# Altium PCB 全兼容主控.PCBDOC (part 7 of 9) (continued)
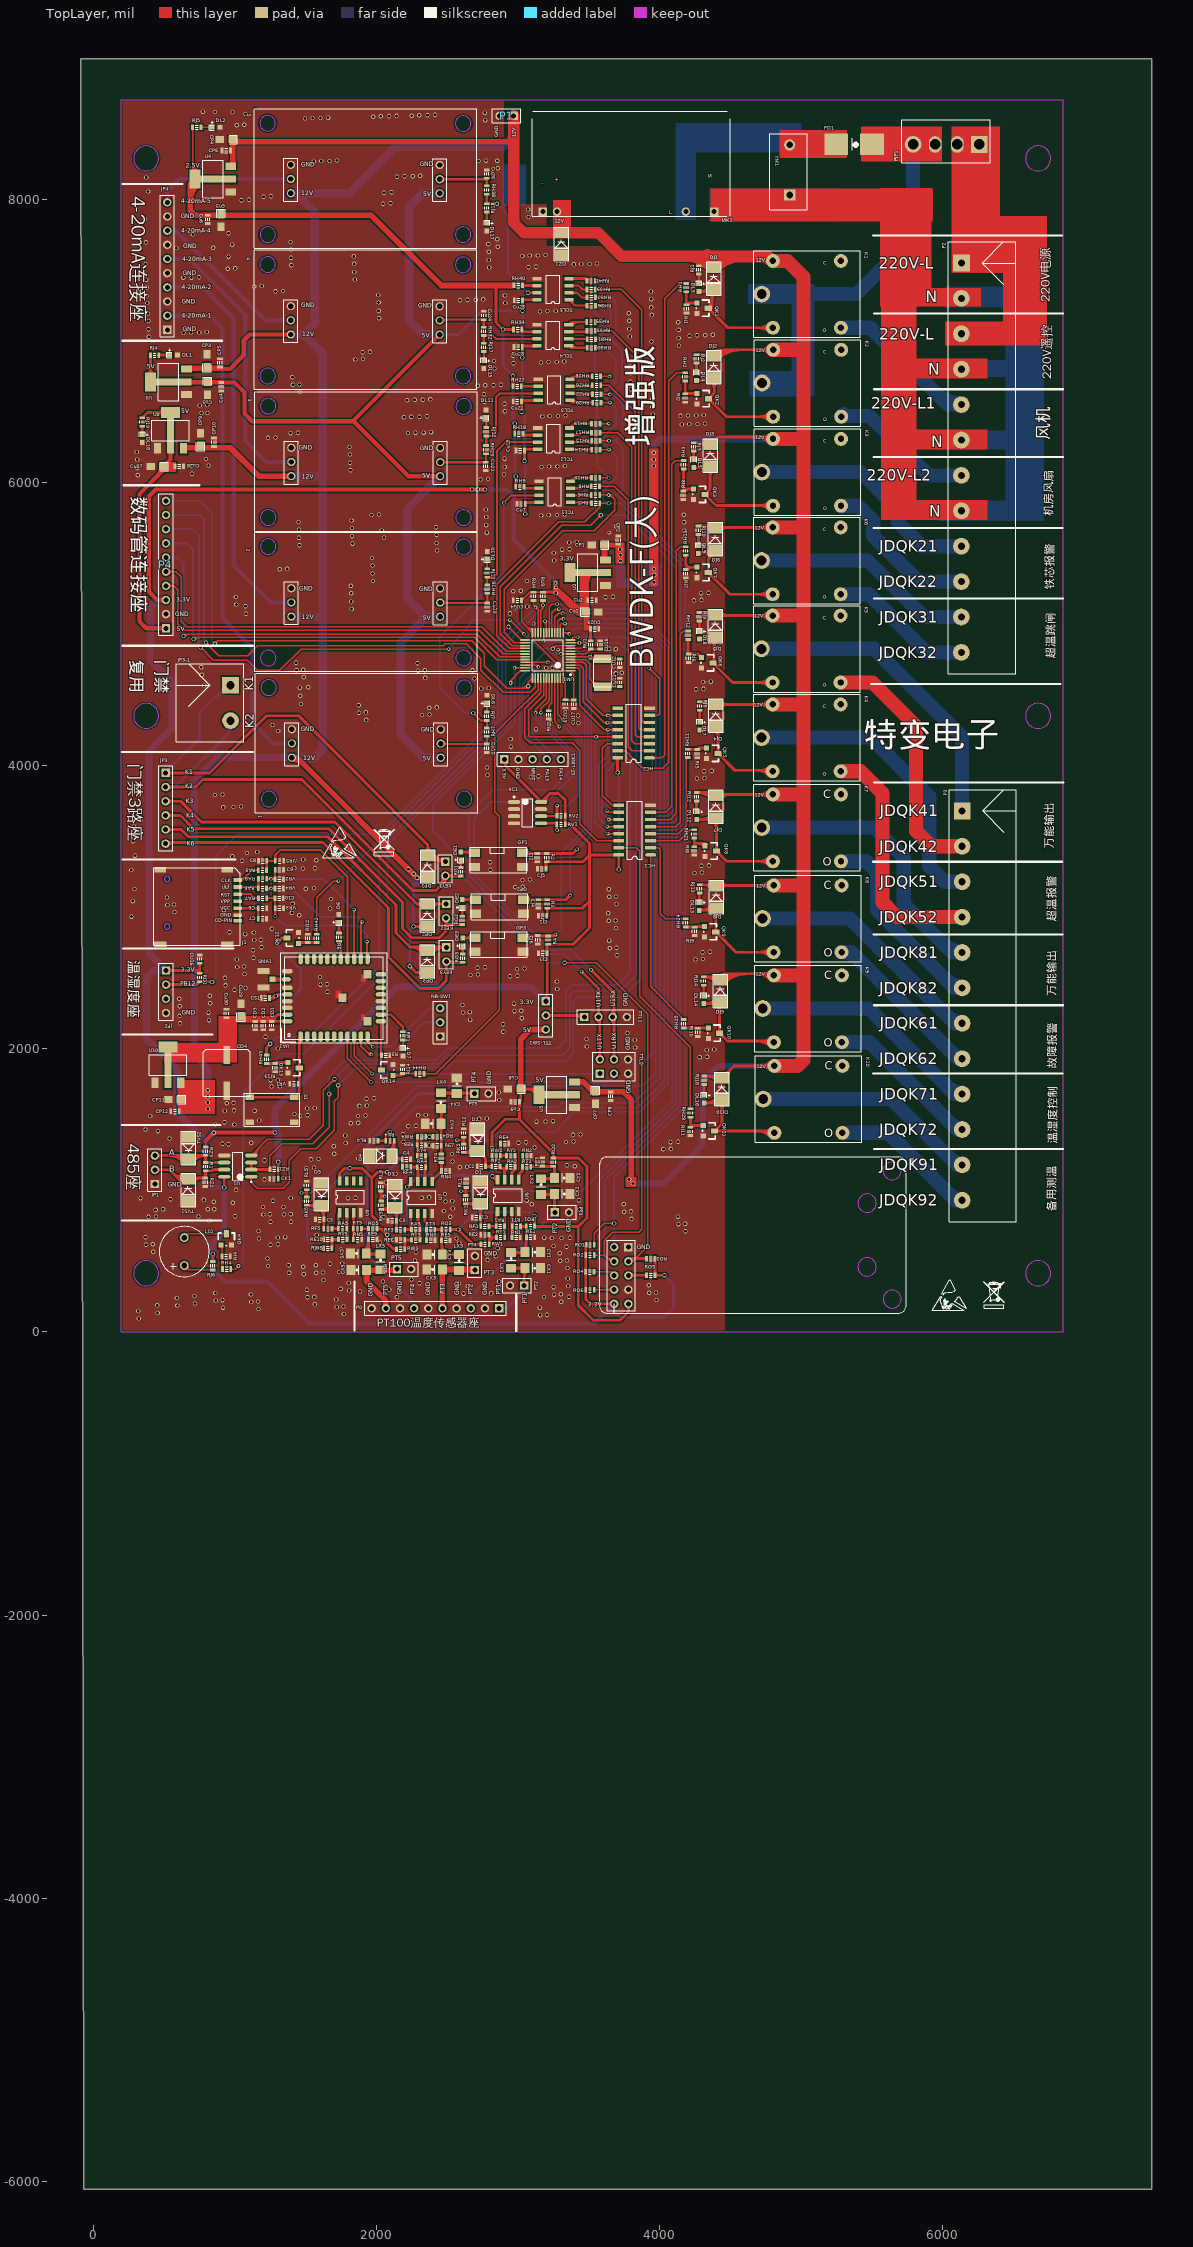
[diagram p0: TopLayer view]
## Nets (pads, with @x,y where several pads share a name; then routed paths per layer and width w, separated by ;. In a path a pad name is that pad's centre, name@x,y a point inside that pad or via, vN(x,y) a via of type N, cw(c..) or ccw(c..) an arc to the next point about the centre after c; other vN are vias at no path point) (continued)
  TopLayer w20: LX2.2@3161.84,971.06 3239.69,971.06 3243.62,974.98 CX2.2@3258.27,974.98 3258.27,845.97 PT3.1@3260.21,844.03 ; LX2.2@3180.98,955.86 cw(c3217.67,919.16) 3217.67,971.06 ; LX2.2@3180.98,955.86 cw(c3217.67,919.16) 3217.67,971.06 ; LX2.2@3180.98,955.86 cw(c3217.67,919.16) 3217.67,971.06 ; LX2.2@3180.98,986.26 ccw(c3217.67,1022.95) 3217.67,971.06 ; LX2.2@3180.98,986.26 ccw(c3217.67,1022.95) 3217.67,971.06 ; LX2.2@3180.98,986.26 ccw(c3217.67,1022.95) 3217.67,971.06 ; 3206.35,971.06 cw(c3206.35,919.12) CX2.2@3243.07,955.84 ; 3206.35,971.06 cw(c3206.35,919.12) CX2.2@3243.07,955.84 ; 3206.35,971.06 cw(c3206.35,919.12) CX2.2@3243.07,955.84 ; 3206.41,971.06 ccw(c3206.41,1022.91) CX2.2@3243.07,986.24 ; 3206.41,971.06 ccw(c3206.41,1022.91) CX2.2@3243.07,986.24 ; 3206.41,971.06 ccw(c3206.41,1022.91) CX2.2@3243.07,986.24 ; CX2.2@3243.07,955.84 cw(c3206.38,919.15) 3258.27,919.15 ; CX2.2@3243.07,955.84 cw(c3206.38,919.15) 3258.27,919.15 ; CX2.2@3243.07,955.84 cw(c3206.38,919.15) 3258.27,919.15 ; PT3.1@3246.4,857.84 ccw(c3217.75,886.49) 3258.27,886.49 ; PT3.1@3246.4,857.84 ccw(c3217.75,886.49) 3258.27,886.49 ; PT3.1@3246.4,857.84 ccw(c3217.75,886.49) 3258.27,886.49 ; 3258.27,895.85 ccw(c3312.04,895.85) PT3.1@3274.02,857.84 ; 3258.27,895.85 ccw(c3312.04,895.85) PT3.1@3274.02,857.84 ; 3258.27,895.85 ccw(c3312.04,895.85) PT3.1@3274.02,857.84 ; 3258.27,919.15 cw(c3310.17,919.15) CX2.2@3273.47,955.84 ; 3258.27,919.15 cw(c3310.17,919.15) CX2.2@3273.47,955.84 ; 3258.27,919.15 cw(c3310.17,919.15) CX2.2@3273.47,955.84
  BottomLayer w20: P0.3@2666.5,166.22 2666.5,252.8 3257.73,844.03 PT3.1@3260.21,844.03 ; P0.3@2652.69,180.03 ccw(c2619.36,213.37) 2666.5,213.37 ; P0.3@2652.69,180.03 ccw(c2619.36,213.37) 2666.5,213.37 ; P0.3@2652.69,180.03 ccw(c2619.36,213.37) 2666.5,213.37 ; 2666.5,213.37 ccw(c2713.65,213.37) P0.3@2680.31,180.03 ; 2666.5,213.37 ccw(c2713.65,213.37) P0.3@2680.31,180.03 ; 2666.5,213.37 ccw(c2713.65,213.37) P0.3@2680.31,180.03 ; 3222.65,808.94 cw(c3260.21,771.38) PT3.1@3260.21,824.5 ; 3222.65,808.94 cw(c3260.21,771.38) PT3.1@3260.21,824.5 ; 3222.65,808.94 cw(c3260.21,771.38) PT3.1@3260.21,824.5 ; 3228.63,814.92 ccw(c3199.52,844.03) PT3.1@3240.68,844.03 ; 3228.63,814.92 ccw(c3199.52,844.03) PT3.1@3240.68,844.03 ; 3228.63,814.92 ccw(c3199.52,844.03) PT3.1@3240.68,844.03
PT100-3: CX3.2 LX3.2 P0.5 PT4.1 | length 1162.9
  TopLayer w20: 2461.91,324.12 2461.91,435.85 CX3.2@2465.85,439.79 ; LX3.2@2577.85,439.79 LX3.2@2582.9,434.73 ; CX3.2@2450.65,420.65 cw(c2423.45,393.45) 2461.91,393.45 ; CX3.2@2450.65,420.65 cw(c2423.45,393.45) 2461.91,393.45 ; CX3.2@2450.65,420.65 cw(c2423.45,393.45) 2461.91,393.45 ; 2461.91,374.46 cw(c2527.24,374.46) CX3.2@2481.05,420.65 ; 2461.91,374.46 cw(c2527.24,374.46) CX3.2@2481.05,420.65 ; 2461.91,374.46 cw(c2527.24,374.46) CX3.2@2481.05,420.65
  TopLayer w40: P0.5@2466.5,166.22 2465.85,166.88 CX3.2@2465.85,439.79 2692.66,439.79 PT4.1@2695.52,436.93 ; 2539.01,439.79 cw(c2539.01,394.78) LX3.2@2570.84,426.61 ; 2539.01,439.79 cw(c2539.01,394.78) LX3.2@2570.84,426.61 ; 2539.01,439.79 cw(c2539.01,394.78) LX3.2@2570.84,426.61 ; LX3.2@2594.97,426.61 cw(c2626.79,394.78) 2626.79,439.79 ; LX3.2@2594.97,426.61 cw(c2626.79,394.78) 2626.79,439.79 ; LX3.2@2594.97,426.61 cw(c2626.79,394.78) 2626.79,439.79 ; 2665.62,439.79 cw(c2665.62,407.04) PT4.1@2688.78,430.2 ; 2665.62,439.79 cw(c2665.62,407.04) PT4.1@2688.78,430.2 ; 2665.62,439.79 cw(c2665.62,407.04) PT4.1@2688.78,430.2
PT100-4: CX4.2 LX4.2 P0.7 PT5.1 | length 3800.1
  TopLayer w20: LX4.2@2456.26,1688.46 2685.51,1688.46 PT5.1@2691.28,1682.68 ; LX4.2@2475.4,1673.26 cw(c2512.09,1636.57) 2512.09,1688.46 ; LX4.2@2475.4,1673.26 cw(c2512.09,1636.57) 2512.09,1688.46 ; LX4.2@2475.4,1673.26 cw(c2512.09,1636.57) 2512.09,1688.46 ; LX4.2@2475.4,1703.66 ccw(c2512.09,1740.36) 2512.09,1688.46 ; LX4.2@2475.4,1703.66 ccw(c2512.09,1740.36) 2512.09,1688.46 ; LX4.2@2475.4,1703.66 ccw(c2512.09,1740.36) 2512.09,1688.46 ; 2498.43,1688.46 cw(c2498.43,1617.84) CX4.2@2548.37,1667.78 ; 2498.43,1688.46 cw(c2498.43,1617.84) CX4.2@2548.37,1667.78 ; 2498.43,1688.46 cw(c2498.43,1617.84) CX4.2@2548.37,1667.78 ; 2524.91,1688.46 ccw(c2524.91,1721.64) CX4.2@2548.37,1698.18 ; 2524.91,1688.46 ccw(c2524.91,1721.64) CX4.2@2548.37,1698.18 ; 2524.91,1688.46 ccw(c2524.91,1721.64) CX4.2@2548.37,1698.18 ; CX4.2@2586.64,1667.78 cw(c2636.57,1617.84) 2636.57,1688.46 ; CX4.2@2586.64,1667.78 cw(c2636.57,1617.84) 2636.57,1688.46 ; CX4.2@2586.64,1667.78 cw(c2636.57,1617.84) 2636.57,1688.46 ; CX4.2@2586.64,1698.18 ccw(c2610.1,1721.64) 2610.1,1688.46 ; CX4.2@2586.64,1698.18 ccw(c2610.1,1721.64) 2610.1,1688.46 ; CX4.2@2586.64,1698.18 ccw(c2610.1,1721.64) 2610.1,1688.46 ; 2630.19,1688.46 cw(c2630.19,1621.6) PT5.1@2677.47,1668.88 ; 2630.19,1688.46 cw(c2630.19,1621.6) PT5.1@2677.47,1668.88 ; 2630.19,1688.46 cw(c2630.19,1621.6) PT5.1@2677.47,1668.88 ; 2658.08,1688.46 ccw(c2658.08,1715.88) PT5.1@2677.47,1696.49 ; 2658.08,1688.46 ccw(c2658.08,1715.88) PT5.1@2677.47,1696.49 ; 2658.08,1688.46 ccw(c2658.08,1715.88) PT5.1@2677.47,1696.49
  BottomLayer w20: P0.7@2266.5,166.22 2266.5,208.62 ; PT5.1@2691.28,1682.68 2296.38,1682.68 2020.35,1406.66 1936.77,1323.08 1936.77,538.35 2040.85,434.27 2266.5,208.62 ; P0.7@2253.81,181.06 ccw(c2230.25,208.62) 2266.5,208.62 ; P0.7@2253.81,181.06 ccw(c2230.25,208.62) 2266.5,208.62 ; P0.7@2253.81,181.06 ccw(c2230.25,208.62) 2266.5,208.62 ; 2266.5,208.62 ccw(c2302.76,208.62) P0.7@2279.19,181.06 ; 2266.5,208.62 ccw(c2302.76,208.62) P0.7@2279.19,181.06 ; 2266.5,208.62 ccw(c2302.76,208.62) P0.7@2279.19,181.06 ; 2644.14,1682.68 cw(c2644.14,1635.54) PT5.1@2677.47,1668.88 ; 2644.14,1682.68 ccw(c2644.14,1729.83) PT5.1@2677.47,1696.49 ; 2644.14,1682.68 cw(c2644.14,1635.54) PT5.1@2677.47,1668.88 ; 2644.14,1682.68 ccw(c2644.14,1729.83) PT5.1@2677.47,1696.49 ; 2644.14,1682.68 cw(c2644.14,1635.54) PT5.1@2677.47,1668.88 ; 2644.14,1682.68 ccw(c2644.14,1729.83) PT5.1@2677.47,1696.49
PT100-5: CX5.2 LX5.2 P0.9 PT6.1 | length 842.5
  TopLayer w20: LX5.2@2025.53,435.92 LX5.2@2028.24,438.62
  TopLayer w40: P0.9@2066.5,166.22 2066.5,221.43 1930.25,357.68 CX5.2@1930.25,435.92 2138.49,435.92 PT6.1@2145.81,443.24 ; 1990.02,435.92 ccw(c1990.02,472.9) LX5.2@2016.17,446.75 ; 1990.02,435.92 ccw(c1990.02,472.9) LX5.2@2016.17,446.75 ; 1990.02,435.92 ccw(c1990.02,472.9) LX5.2@2016.17,446.75 ; LX5.2@2040.3,446.75 ccw(c2066.45,472.9) 2066.45,435.92 ; LX5.2@2040.3,446.75 ccw(c2066.45,472.9) 2066.45,435.92 ; LX5.2@2040.3,446.75 ccw(c2066.45,472.9) 2066.45,435.92 ; 2105.13,435.92 ccw(c2105.13,483.92) PT6.1@2139.07,449.98 ; 2105.13,435.92 ccw(c2105.13,483.92) PT6.1@2139.07,449.98 ; 2105.13,435.92 ccw(c2105.13,483.92) PT6.1@2139.07,449.98
  BottomLayer w20: P0.9@2066.5,166.22 P0.9@2066.5,172.82
PWRKEY: QK14.1 R5.2 UA1.12 | length 640.5
  TopLayer w15: UA1.12@2032,2193.89 2032,1854.48 QK14.1@2036.67,1849.81 ; QK14.1@2022.24,1857.24 ccw(c1998.69,1880.79) 2032,1880.79 ; QK14.1@2022.24,1857.24 ccw(c1998.69,1880.79) 2032,1880.79 ; QK14.1@2022.24,1857.24 ccw(c1998.69,1880.79) 2032,1880.79 ; UA1.12@2026.17,2188.06 cw(c2012.09,2173.98) 2032,2173.98 ; UA1.12@2026.17,2188.06 cw(c2012.09,2173.98) 2032,2173.98 ; UA1.12@2026.17,2188.06 cw(c2012.09,2173.98) 2032,2173.98 ; 2032,1869.53 ccw(c2049.39,1869.53) QK14.1@2037.09,1857.24 ; 2032,1869.53 ccw(c2049.39,1869.53) QK14.1@2037.09,1857.24 ; 2032,1869.53 ccw(c2049.39,1869.53) QK14.1@2037.09,1857.24 ; 2032,1929.72 cw(c2049.22,1929.72) R5.2@2037.04,1941.9 ; 2032,1929.72 cw(c2049.22,1929.72) R5.2@2037.04,1941.9 ; 2032,1929.72 cw(c2049.22,1929.72) R5.2@2037.04,1941.9 ; 2032,1977.08 ccw(c2049.22,1977.08) R5.2@2037.04,1964.9 ; 2032,1977.08 ccw(c2049.22,1977.08) R5.2@2037.04,1964.9 ; 2032,1977.08 ccw(c2049.22,1977.08) R5.2@2037.04,1964.9 ; 2032,2173.98 cw(c2051.91,2173.98) UA1.12@2037.83,2188.06 ; 2032,2173.98 cw(c2051.91,2173.98) UA1.12@2037.83,2188.06 ; 2032,2173.98 cw(c2051.91,2173.98) UA1.12@2037.83,2188.06
SCK: UA1.3
SD-INT2: UA1.27
SIM_CLK: C8.1 RA9.2 UA1.23 VR5.1 | length 1443.5
  TopLayer w15: RA9.2@1224.82,3261.28 1225.87,3262.33 C8.1@1225.87,3326.16 VR5.1@1285.95,3326.16 1285.95,3367.61 1320.45,3402.11 1607.08,3402.11 1795.78,3213.41 UA1.23@1795.78,2632.87 ; UA1.23@1789.95,2660.35 ccw(c1775.87,2674.43) 1795.78,2674.43 ; UA1.23@1789.95,2660.35 ccw(c1775.87,2674.43) 1795.78,2674.43 ; UA1.23@1789.95,2660.35 ccw(c1775.87,2674.43) 1795.78,2674.43 ; 1795.78,2674.43 ccw(c1815.69,2674.43) UA1.23@1801.61,2660.35 ; 1795.78,2674.43 ccw(c1815.69,2674.43) UA1.23@1801.61,2660.35 ; 1795.78,2674.43 ccw(c1815.69,2674.43) UA1.23@1801.61,2660.35
SIM_DAT: C9.1 RA8.1 UA1.22 VR2.1 | length 1320.3
  TopLayer w15: RA8.1@1225.5,3198.89 1226.43,3197.96 VR2.1@1284.85,3197.96 1285.06,3198.17 C9.1@1285.06,3263.04 ; v2(1842.14,2982.36) 1842.14,2633.75 UA1.22@1843.02,2632.87 ; 1239.96,3197.96 ccw(c1239.96,3213.77) v2@1251.14,3202.59 ; 1239.96,3197.96 ccw(c1239.96,3213.77) v2@1251.14,3202.59 ; 1239.96,3197.96 ccw(c1239.96,3213.77) v2@1251.14,3202.59 ; v2@1258.21,3202.59 ccw(c1269.39,3213.77) 1269.39,3197.96 ; v2@1258.21,3202.59 ccw(c1269.39,3213.77) 1269.39,3197.96 ; v2@1258.21,3202.59 ccw(c1269.39,3213.77) 1269.39,3197.96 ; UA1.22@1837.19,2660.35 ccw(c1825.24,2672.3) 1842.14,2672.3 ; UA1.22@1837.19,2660.35 ccw(c1825.24,2672.3) 1842.14,2672.3 ; UA1.22@1837.19,2660.35 ccw(c1825.24,2672.3) 1842.14,2672.3 ; 1842.14,2676.57 ccw(c1865.07,2676.57) UA1.22@1848.86,2660.35 ; 1842.14,2676.57 ccw(c1865.07,2676.57) UA1.22@1848.86,2660.35 ; 1842.14,2676.57 ccw(c1865.07,2676.57) UA1.22@1848.86,2660.35
  BottomLayer w15: v2(1254.68,3199.06) 1625.44,3199.06 v2(1842.14,2982.36)
SIM_RST: C10.1 RA7.1 UA1.20 VR3.1 | length 1131.4
  TopLayer w15: RA7.1@1225.51,3062.88 C10.1@1283.84,3062.88 ; C10.1@1283.93,3062.98 C10.1@1283.84,3062.88 ; v2(1285.44,2935.46) VR3.1@1285.44,2993.21 1283.84,2994.81 C10.1@1283.84,3062.88 ; v2(1934.48,2755.69) 1934.48,2635.9 UA1.20@1937.51,2632.87 ; 1934.48,2681.74 ccw(c1964.73,2681.74) UA1.20@1943.34,2660.35 ; 1934.48,2681.74 ccw(c1964.73,2681.74) UA1.20@1943.34,2660.35 ; 1934.48,2681.74 ccw(c1964.73,2681.74) UA1.20@1943.34,2660.35
  BottomLayer w15: v2(1285.44,2935.46) 1351,2869.9 1864.65,2869.9 1934.48,2800.07 v2(1934.48,2755.69)
SIM_VDD: C6.1 C7.2 J1.3 RA6.2 UA1.21 VR4.1 | length 1792.3
  TopLayer w15: J1.3@1021.23,2991.59 1164.92,2991.59 C6.1@1165.83,2992.5 1165.83,2918.98 C7.2@1165.55,2918.7 ; RA6.2@1224.77,3132.09 1283.32,3132.09 VR4.1@1283.99,3131.43 ; UA1.21@1890.27,2632.87 1890.27,2886.57 v2(1900.91,2897.21) ; UA1.21@1884.43,2660.35 ccw(c1870.35,2674.43) 1890.27,2674.43 ; UA1.21@1884.43,2660.35 ccw(c1870.35,2674.43) 1890.27,2674.43 ; UA1.21@1884.43,2660.35 ccw(c1870.35,2674.43) 1890.27,2674.43 ; 1890.27,2674.43 ccw(c1910.18,2674.43) UA1.21@1896.1,2660.35 ; 1890.27,2674.43 ccw(c1910.18,2674.43) UA1.21@1896.1,2660.35 ; 1890.27,2674.43 ccw(c1910.18,2674.43) UA1.21@1896.1,2660.35 ; 1890.27,2859.46 cw(c1938.66,2859.46) v2@1904.44,2893.67 ; 1890.27,2859.46 cw(c1938.66,2859.46) v2@1904.44,2893.67 ; 1890.27,2859.46 cw(c1938.66,2859.46) v2@1904.44,2893.67
  BottomLayer w15: v2(1126.94,2991.59) 1126.94,3004.25 v2(1254.78,3132.09) 1403.38,3132.09 1605.88,2929.59 1868.52,2929.59 v2(1900.91,2897.21) ; v2@1131.94,2991.59 cw(c1174.58,2991.59) 1144.43,3021.74 ; v2@1131.94,2991.59 cw(c1174.58,2991.59) 1144.43,3021.74 ; v2@1131.94,2991.59 cw(c1174.58,2991.59) 1144.43,3021.74
TCLCS1: HC2.2 RH8.1 | length 2281.2
  TopLayer w10: RH8.1@3576.35,5971.55 3681.33,5971.55 3779.31,5873.57 3779.31,4132.12 3807.95,4103.48 HC2.2@3928.94,4103.48 ; RH8.1@3579.77,5968.13 cw(c3588.04,5959.86) 3588.04,5971.55 ; RH8.1@3579.77,5968.13 cw(c3588.04,5959.86) 3588.04,5971.55 ; RH8.1@3579.77,5968.13 cw(c3588.04,5959.86) 3588.04,5971.55 ; RH8.1@3579.77,5974.98 ccw(c3588.04,5983.24) 3588.04,5971.55 ; RH8.1@3579.77,5974.98 ccw(c3588.04,5983.24) 3588.04,5971.55 ; RH8.1@3579.77,5974.98 ccw(c3588.04,5983.24) 3588.04,5971.55 ; 3886.04,4103.48 cw(c3886.04,4086.58) HC2.2@3897.99,4098.53 ; 3886.04,4103.48 ccw(c3886.04,4120.38) HC2.2@3897.99,4108.43 ; 3886.04,4103.48 cw(c3886.04,4086.58) HC2.2@3897.99,4098.53 ; 3886.04,4103.48 ccw(c3886.04,4120.38) HC2.2@3897.99,4108.43 ; 3886.04,4103.48 cw(c3886.04,4086.58) HC2.2@3897.99,4098.53 ; 3886.04,4103.48 ccw(c3886.04,4120.38) HC2.2@3897.99,4108.43
TCLCS2: HC2.3 RH17.1 | length 2610.1
  TopLayer w10: RH17.1@3578.93,6350.92 3703.37,6350.92 3804.09,6250.2 3804.09,4175.74 3826.34,4153.48 HC2.3@3928.94,4153.48 ; RH17.1@3582.35,6347.49 cw(c3590.62,6339.23) 3590.62,6350.92 ; RH17.1@3582.35,6347.49 cw(c3590.62,6339.23) 3590.62,6350.92 ; RH17.1@3582.35,6347.49 cw(c3590.62,6339.23) 3590.62,6350.92 ; RH17.1@3582.35,6354.34 ccw(c3590.62,6362.61) 3590.62,6350.92 ; RH17.1@3582.35,6354.34 ccw(c3590.62,6362.61) 3590.62,6350.92 ; RH17.1@3582.35,6354.34 ccw(c3590.62,6362.61) 3590.62,6350.92 ; 3886.04,4153.48 cw(c3886.04,4136.58) HC2.3@3897.99,4148.53 ; 3886.04,4153.48 ccw(c3886.04,4170.38) HC2.3@3897.99,4158.43 ; 3886.04,4153.48 cw(c3886.04,4136.58) HC2.3@3897.99,4148.53 ; 3886.04,4153.48 ccw(c3886.04,4170.38) HC2.3@3897.99,4158.43 ; 3886.04,4153.48 cw(c3886.04,4136.58) HC2.3@3897.99,4148.53 ; 3886.04,4153.48 ccw(c3886.04,4170.38) HC2.3@3897.99,4158.43
TCLCS3: HC2.4 RH26.1 | length 2844.5
  TopLayer w10: RH26.1@3583.98,6685.85 3641.01,6685.85 3827.88,6498.98 3827.88,4217.36 3841.76,4203.48 HC2.4@3928.94,4203.48 ; RH26.1@3587.4,6682.43 cw(c3595.67,6674.16) 3595.67,6685.85 ; RH26.1@3587.4,6682.43 cw(c3595.67,6674.16) 3595.67,6685.85 ; RH26.1@3587.4,6682.43 cw(c3595.67,6674.16) 3595.67,6685.85 ; RH26.1@3587.4,6689.27 ccw(c3595.67,6697.54) 3595.67,6685.85 ; RH26.1@3587.4,6689.27 ccw(c3595.67,6697.54) 3595.67,6685.85 ; RH26.1@3587.4,6689.27 ccw(c3595.67,6697.54) 3595.67,6685.85 ; 3886.04,4203.48 cw(c3886.04,4186.58) HC2.4@3897.99,4198.53 ; 3886.04,4203.48 ccw(c3886.04,4220.38) HC2.4@3897.99,4208.43 ; 3886.04,4203.48 cw(c3886.04,4186.58) HC2.4@3897.99,4198.53 ; 3886.04,4203.48 ccw(c3886.04,4220.38) HC2.4@3897.99,4208.43 ; 3886.04,4203.48 cw(c3886.04,4186.58) HC2.4@3897.99,4198.53 ; 3886.04,4203.48 ccw(c3886.04,4220.38) HC2.4@3897.99,4208.43
TCLCS4: HC2.5 RH33.1 | length 3216.6
  TopLayer w10: RH33.1@3546.41,7071.22 3661.01,7071.22 3851.67,6880.57 3851.67,4264.94 3863.12,4253.48 HC2.5@3928.94,4253.48 ; RH33.1@3549.84,7067.8 cw(c3558.1,7059.53) 3558.1,7071.22 ; RH33.1@3549.84,7067.8 cw(c3558.1,7059.53) 3558.1,7071.22 ; RH33.1@3549.84,7067.8 cw(c3558.1,7059.53) 3558.1,7071.22 ; RH33.1@3549.84,7074.65 ccw(c3558.1,7082.91) 3558.1,7071.22 ; RH33.1@3549.84,7074.65 ccw(c3558.1,7082.91) 3558.1,7071.22 ; RH33.1@3549.84,7074.65 ccw(c3558.1,7082.91) 3558.1,7071.22 ; 3886.04,4253.48 cw(c3886.04,4236.58) HC2.5@3897.99,4248.53 ; 3886.04,4253.48 ccw(c3886.04,4270.38) HC2.5@3897.99,4258.43 ; 3886.04,4253.48 cw(c3886.04,4236.58) HC2.5@3897.99,4248.53 ; 3886.04,4253.48 ccw(c3886.04,4270.38) HC2.5@3897.99,4258.43 ; 3886.04,4253.48 cw(c3886.04,4236.58) HC2.5@3897.99,4248.53 ; 3886.04,4253.48 ccw(c3886.04,4270.38) HC2.5@3897.99,4258.43
TCLCS5: HC2.6 RH39.1 | length 3572.7
  TopLayer w10: RH39.1@3546.06,7361.8 3729.23,7361.8 3872.93,7218.1 3872.93,4319.62 3889.07,4303.48 ; HC2.6@3928.94,4303.48 3889.07,4303.48 ; RH39.1@3549.48,7358.37 cw(c3557.75,7350.11) 3557.75,7361.8 ; RH39.1@3549.48,7358.37 cw(c3557.75,7350.11) 3557.75,7361.8 ; RH39.1@3549.48,7358.37 cw(c3557.75,7350.11) 3557.75,7361.8 ; RH39.1@3549.48,7365.22 ccw(c3557.75,7373.49) 3557.75,7361.8 ; RH39.1@3549.48,7365.22 ccw(c3557.75,7373.49) 3557.75,7361.8 ; RH39.1@3549.48,7365.22 ccw(c3557.75,7373.49) 3557.75,7361.8 ; 3879.87,4312.69 ccw(c3891.82,4324.64) HC2.6@3899.68,4309.68 ; 3879.87,4312.69 ccw(c3891.82,4324.64) HC2.6@3899.68,4309.68 ; 3879.87,4312.69 ccw(c3891.82,4324.64) HC2.6@3899.68,4309.68 ; 3889.07,4303.48 cw(c3889.07,4293.25) HC2.6@3897.31,4299.33 ; 3889.07,4303.48 ccw(c3889.07,4313.72) HC2.6@3897.31,4307.64 ; 3889.07,4303.48 cw(c3889.07,4293.25) HC2.6@3897.31,4299.33 ; 3889.07,4303.48 ccw(c3889.07,4313.72) HC2.6@3897.31,4307.64 ; 3889.07,4303.48 cw(c3889.07,4293.25) HC2.6@3897.31,4299.33 ; 3889.07,4303.48 ccw(c3889.07,4313.72) HC2.6@3897.31,4307.64 ; 3889.47,4303.09 ccw(c3898.44,4312.05) HC2.6@3904.33,4300.83 ; 3889.47,4303.09 ccw(c3898.44,4312.05) HC2.6@3904.33,4300.83 ; 3889.47,4303.09 ccw(c3898.44,4312.05) HC2.6@3904.33,4300.83
UART1_RXD/GPIO_0: TTL2.1 UA1.9 | length 2659.5
  TopLayer w10: UA1.9@1843.02,2085.62 1843.02,1951.2 v2(1970.46,1823.76) ; UA1.9@1835.42,2056.37 cw(c1817.07,2038.02) 1843.02,2038.02 ; UA1.9@1835.42,2056.37 cw(c1817.07,2038.02) 1843.02,2038.02 ; UA1.9@1835.42,2056.37 cw(c1817.07,2038.02) 1843.02,2038.02 ; 1843.02,2038.02 cw(c1868.97,2038.02) UA1.9@1850.62,2056.37 ; 1843.02,2038.02 cw(c1868.97,2038.02) UA1.9@1850.62,2056.37 ; 1843.02,2038.02 cw(c1868.97,2038.02) UA1.9@1850.62,2056.37 ; 1957.66,1836.56 cw(c1944.86,1823.76) v2@1962.96,1823.76 ; 1957.66,1836.56 ccw(c1970.46,1849.37) v2@1970.46,1831.26 ; 1957.66,1836.56 cw(c1944.86,1823.76) v2@1962.96,1823.76 ; 1957.66,1836.56 ccw(c1970.46,1849.37) v2@1970.46,1831.26 ; 1957.66,1836.56 cw(c1944.86,1823.76) v2@1962.96,1823.76 ; 1957.66,1836.56 ccw(c1970.46,1849.37) v2@1970.46,1831.26
  BottomLayer w10: v2(1970.46,1823.76) TTL2.1@3578.09,1823.76 ; v2@1975.77,1818.46 cw(c1988.57,1805.65) 1988.57,1823.76 ; v2@1975.77,1818.46 cw(c1988.57,1805.65) 1988.57,1823.76 ; v2@1975.77,1818.46 cw(c1988.57,1805.65) 1988.57,1823.76 ; v2@1975.77,1829.06 ccw(c1988.57,1841.87) 1988.57,1823.76 ; v2@1975.77,1829.06 ccw(c1988.57,1841.87) 1988.57,1823.76 ; v2@1975.77,1829.06 ccw(c1988.57,1841.87) 1988.57,1823.76 ; 3518.87,1823.76 cw(c3518.87,1764.55) TTL2.1@3560.74,1806.42 ; 3518.87,1823.76 ccw(c3518.87,1882.97) TTL2.1@3560.74,1841.1 ; 3518.87,1823.76 cw(c3518.87,1764.55) TTL2.1@3560.74,1806.42 ; 3518.87,1823.76 ccw(c3518.87,1882.97) TTL2.1@3560.74,1841.1 ; 3518.87,1823.76 cw(c3518.87,1764.55) TTL2.1@3560.74,1806.42 ; 3518.87,1823.76 ccw(c3518.87,1882.97) TTL2.1@3560.74,1841.1 ; 3543.02,1823.76 cw(c3543.02,1788.69) TTL2.1@3567.82,1813.49 ; 3543.02,1823.76 ccw(c3543.02,1858.83) TTL2.1@3567.82,1834.03 ; 3543.02,1823.76 cw(c3543.02,1788.69) TTL2.1@3567.82,1813.49 ; 3543.02,1823.76 ccw(c3543.02,1858.83) TTL2.1@3567.82,1834.03 ; 3543.02,1823.76 cw(c3543.02,1788.69) TTL2.1@3567.82,1813.49 ; 3543.02,1823.76 ccw(c3543.02,1858.83) TTL2.1@3567.82,1834.03
UART1_TXD/GPIO_1: TTL2.3 UA1.8 | length 2766.9
  TopLayer w10: UA1.8@1795.78,2085.62 1795.78,1930.78 v2(1963.63,1762.93) ; UA1.8@1788.18,2056.37 cw(c1769.83,2038.02) 1795.78,2038.02 ; UA1.8@1788.18,2056.37 cw(c1769.83,2038.02) 1795.78,2038.02 ; UA1.8@1788.18,2056.37 cw(c1769.83,2038.02) 1795.78,2038.02 ; 1795.78,2038.02 cw(c1821.73,2038.02) UA1.8@1803.38,2056.37 ; 1795.78,2038.02 cw(c1821.73,2038.02) UA1.8@1803.38,2056.37 ; 1795.78,2038.02 cw(c1821.73,2038.02) UA1.8@1803.38,2056.37 ; 1950.82,1775.73 cw(c1938.02,1762.93) v2@1956.13,1762.93 ; 1950.82,1775.73 ccw(c1963.63,1788.54) v2@1963.63,1770.43 ; 1950.82,1775.73 cw(c1938.02,1762.93) v2@1956.13,1762.93 ; 1950.82,1775.73 ccw(c1963.63,1788.54) v2@1963.63,1770.43 ; 1950.82,1775.73 cw(c1938.02,1762.93) v2@1956.13,1762.93 ; 1950.82,1775.73 ccw(c1963.63,1788.54) v2@1963.63,1770.43
  BottomLayer w10: v2(1963.63,1762.93) 3638.66,1762.93 3678.09,1802.36 TTL2.3@3678.09,1823.76 ; v2@1968.93,1757.63 cw(c1981.73,1744.82) 1981.73,1762.93 ; v2@1968.93,1757.63 cw(c1981.73,1744.82) 1981.73,1762.93 ; v2@1968.93,1757.63 cw(c1981.73,1744.82) 1981.73,1762.93 ; v2@1968.93,1768.23 ccw(c1981.73,1781.04) 1981.73,1762.93 ; v2@1968.93,1768.23 ccw(c1981.73,1781.04) 1981.73,1762.93 ; v2@1968.93,1768.23 ccw(c1981.73,1781.04) 1981.73,1762.93 ; 3649.36,1773.63 ccw(c3624.97,1798.03) TTL2.3@3656.01,1813.07 ; 3649.36,1773.63 ccw(c3624.97,1798.03) TTL2.3@3656.01,1813.07 ; 3649.36,1773.63 ccw(c3624.97,1798.03) TTL2.3@3656.01,1813.07 ; 3659.3,1783.57 ccw(c3638.36,1804.51) TTL2.3@3665.01,1817.43 ; 3659.3,1783.57 ccw(c3638.36,1804.51) TTL2.3@3665.01,1817.43 ; 3659.3,1783.57 ccw(c3638.36,1804.51) TTL2.3@3665.01,1817.43 ; 3669.24,1793.51 ccw(c3651.76,1811) TTL2.3@3674.01,1821.79 ; 3669.24,1793.51 ccw(c3651.76,1811) TTL2.3@3674.01,1821.79 ; 3669.24,1793.51 ccw(c3651.76,1811) TTL2.3@3674.01,1821.79
USART1_RX: TTL1.3 TTL2.4 UM1.43 | length 4700.4
  TopLayer w10: v2(3162.19,4373.15) 3162.19,4400.57 3220.55,4458.93 UM1.43@3220.55,4617.45 ; v2@3156.88,4378.46 ccw(c3144.08,4391.26) 3162.19,4391.26 ; v2@3156.88,4378.46 ccw(c3144.08,4391.26) 3162.19,4391.26 ; v2@3156.88,4378.46 ccw(c3144.08,4391.26) 3162.19,4391.26 ; 3162.19,4391.26 ccw(c3180.29,4391.26) v2@3167.49,4378.46 ; 3162.19,4391.26 ccw(c3180.29,4391.26) v2@3167.49,4378.46 ; 3162.19,4391.26 ccw(c3180.29,4391.26) v2@3167.49,4378.46
  TopLayer w20: v2(3515.67,2557.2) 3678.09,2394.78 TTL2.4@3678.09,1923.76 ; TTL1.3@3669.08,2223.71 TTL1.3@3678.09,2214.71 ; TTL1.3@3655.28,2209.91 cw(c3600.2,2154.83) 3678.09,2154.83 ; TTL1.3@3655.28,2209.91 cw(c3600.2,2154.83) 3678.09,2154.83 ; TTL1.3@3655.28,2209.91 cw(c3600.2,2154.83) 3678.09,2154.83 ; TTL1.3@3655.28,2237.52 ccw(c3600.2,2292.6) 3678.09,2292.6 ; TTL1.3@3655.28,2237.52 ccw(c3600.2,2292.6) 3678.09,2292.6 ; TTL1.3@3655.28,2237.52 ccw(c3600.2,2292.6) 3678.09,2292.6 ; TTL2.4@3664.28,1937.57 ccw(c3630.94,1970.9) 3678.09,1970.9 ; TTL2.4@3664.28,1937.57 ccw(c3630.94,1970.9) 3678.09,1970.9 ; TTL2.4@3664.28,1937.57 ccw(c3630.94,1970.9) 3678.09,1970.9 ; 3678.09,1970.9 ccw(c3725.23,1970.9) TTL2.4@3691.9,1937.57 ; 3678.09,1970.9 ccw(c3725.23,1970.9) TTL2.4@3691.9,1937.57 ; 3678.09,1970.9 ccw(c3725.23,1970.9) TTL2.4@3691.9,1937.57
  BottomLayer w10: v2(3162.19,4373.15) 3162.19,4324.4 3402.21,4084.38 3402.21,3941.4 3203.38,3742.57 2805.98,3742.57 2688.06,3624.66 2688.06,3237.12 3226.25,2698.93 3373.93,2698.93 v2(3515.67,2557.2) ; v2@3156.88,4367.85 cw(c3144.08,4355.05) 3162.19,4355.05 ; v2@3156.88,4367.85 cw(c3144.08,4355.05) 3162.19,4355.05 ; v2@3156.88,4367.85 cw(c3144.08,4355.05) 3162.19,4355.05 ; 3162.19,4355.05 cw(c3180.29,4355.05) v2@3167.49,4367.85 ; 3162.19,4355.05 cw(c3180.29,4355.05) v2@3167.49,4367.85 ; 3162.19,4355.05 cw(c3180.29,4355.05) v2@3167.49,4367.85 ; 3502.86,2570 cw(c3490.06,2557.2) v2@3508.17,2557.2 ; 3502.86,2570 ccw(c3515.67,2582.8) v2@3515.67,2564.7 ; 3502.86,2570 cw(c3490.06,2557.2) v2@3508.17,2557.2 ; 3502.86,2570 ccw(c3515.67,2582.8) v2@3515.67,2564.7 ; 3502.86,2570 cw(c3490.06,2557.2) v2@3508.17,2557.2 ; 3502.86,2570 ccw(c3515.67,2582.8) v2@3515.67,2564.7
USART1_TX: TTL1.2 TTL2.2 UM1.42 | length 4709
  TopLayer w10: v2(3124.14,4370.92) 3124.14,4396.09 3200.86,4472.81 UM1.42@3200.86,4617.45 ; v2@3118.84,4376.22 ccw(c3106.04,4389.02) 3124.14,4389.02 ; v2@3118.84,4376.22 ccw(c3106.04,4389.02) 3124.14,4389.02 ; v2@3118.84,4376.22 ccw(c3106.04,4389.02) 3124.14,4389.02 ; 3124.14,4389.02 ccw(c3142.25,4389.02) v2@3129.45,4376.22 ; 3124.14,4389.02 ccw(c3142.25,4389.02) v2@3129.45,4376.22 ; 3124.14,4389.02 ccw(c3142.25,4389.02) v2@3129.45,4376.22
  TopLayer w20: v2(3449.26,2544.31) 3569.08,2424.49 TTL1.2@3569.08,2223.71 ; TTL2.2@3578.09,1923.76 TTL1.2@3578.09,2226.24 ; TTL1.2@3555.28,2209.91 cw(c3500.2,2154.83) 3578.09,2154.83 ; TTL1.2@3555.28,2209.91 cw(c3500.2,2154.83) 3578.09,2154.83 ; TTL1.2@3555.28,2209.91 cw(c3500.2,2154.83) 3578.09,2154.83 ; TTL1.2@3555.28,2237.52 ccw(c3521.94,2270.86) 3569.08,2270.86 ; TTL1.2@3555.28,2237.52 ccw(c3521.94,2270.86) 3569.08,2270.86 ; TTL1.2@3555.28,2237.52 ccw(c3521.94,2270.86) 3569.08,2270.86 ; TTL2.2@3564.28,1937.57 ccw(c3530.94,1970.9) 3578.09,1970.9 ; TTL2.2@3564.28,1937.57 ccw(c3530.94,1970.9) 3578.09,1970.9 ; TTL2.2@3564.28,1937.57 ccw(c3530.94,1970.9) 3578.09,1970.9 ; 3569.08,2270.86 ccw(c3616.23,2270.86) TTL1.2@3582.89,2237.52 ; 3569.08,2270.86 ccw(c3616.23,2270.86) TTL1.2@3582.89,2237.52 ; 3569.08,2270.86 ccw(c3616.23,2270.86) TTL1.2@3582.89,2237.52 ; 3578.09,1970.9 ccw(c3625.23,1970.9) TTL2.2@3591.9,1937.57 ; 3578.09,1970.9 ccw(c3625.23,1970.9) TTL2.2@3591.9,1937.57 ; 3578.09,1970.9 ccw(c3625.23,1970.9) TTL2.2@3591.9,1937.57
  BottomLayer w10: v2(3124.14,4370.92) 3124.14,4325.21 3376.14,4073.2 3376.14,3965.23 3239.13,3828.21 2820.25,3828.21 2652.38,3660.34 2652.38,3225.23 3211.39,2666.22 3327.35,2666.22 v2(3449.26,2544.31) ; v2@3118.84,4365.61 cw(c3106.04,4352.81) 3124.14,4352.81 ; v2@3118.84,4365.61 cw(c3106.04,4352.81) 3124.14,4352.81 ; v2@3118.84,4365.61 cw(c3106.04,4352.81) 3124.14,4352.81 ; 3124.14,4352.81 cw(c3142.25,4352.81) v2@3129.45,4365.61 ; 3124.14,4352.81 cw(c3142.25,4352.81) v2@3129.45,4365.61 ; 3124.14,4352.81 cw(c3142.25,4352.81) v2@3129.45,4365.61 ; 3436.46,2557.12 cw(c3423.65,2544.31) v2@3441.76,2544.31 ; 3436.46,2557.12 ccw(c3449.26,2569.92) v2@3449.26,2551.81 ; 3436.46,2557.12 cw(c3423.65,2544.31) v2@3441.76,2544.31 ; 3436.46,2557.12 ccw(c3449.26,2569.92) v2@3449.26,2551.81 ; 3436.46,2557.12 cw(c3423.65,2544.31) v2@3441.76,2544.31 ; 3436.46,2557.12 ccw(c3449.26,2569.92) v2@3449.26,2551.81